# Altium PCB QUDONG.PcbDoc (continued)
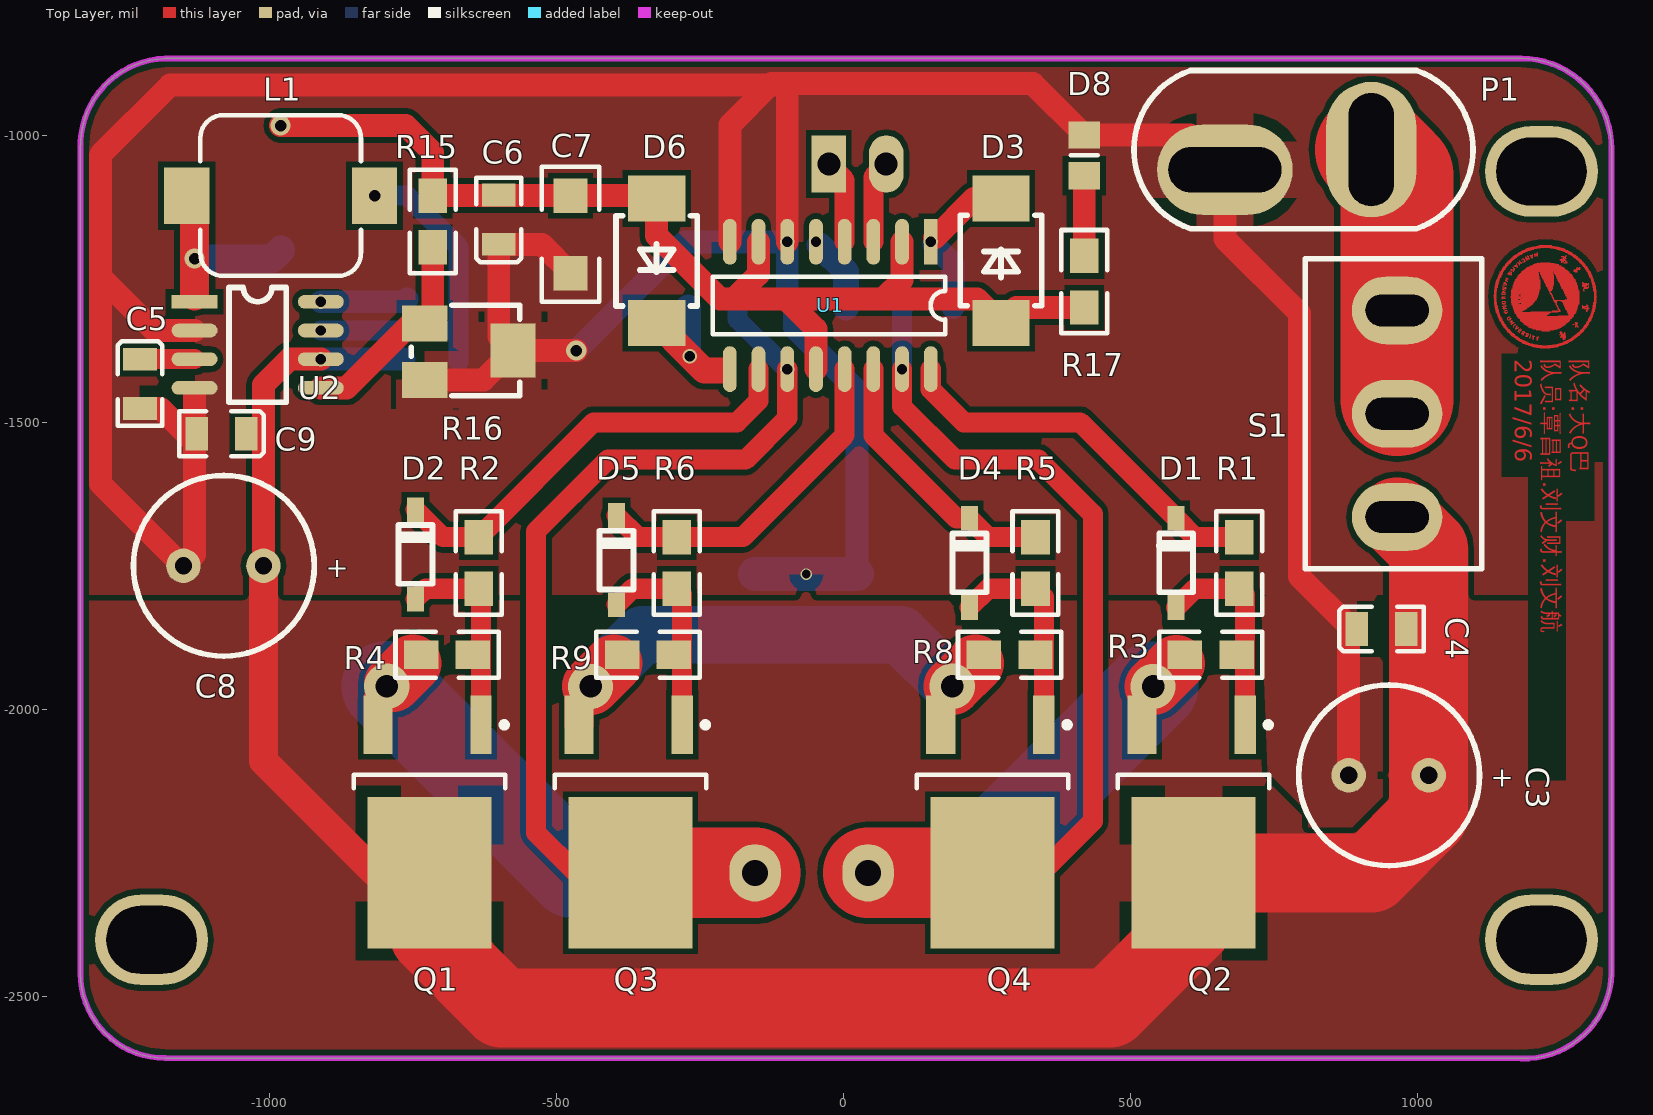
[diagram p0: Top Layer view]
## Nets (pads, with @x,y where several pads share a name; then routed paths per layer and width w, separated by ;. In a path a pad name is that pad's centre, name@x,y a point inside that pad or via, vN(x,y) a via of type N, cw(c..) or ccw(c..) an arc to the next point about the centre after c; other vN are vias at no path point) (continued)
  Top Layer w1: 1134,-1283 1134,-1282 ; 1134,-1280 1134,-1279 ; 1135,-1294 1135,-1269 ; 1136,-1300 1136,-1263 ; 1137,-1304 1137,-1259 ; 1138,-1308 1138,-1255 ; 1139,-1310 1139,-1291 ; 1139,-1272 1139,-1252 ; 1140,-1313 1140,-1297 ; 1140,-1266 1140,-1250 ; 1141,-1316 1141,-1302 ; 1141,-1260 1141,-1247 ; 1142,-1318 1142,-1305 ; 1142,-1258 1142,-1245 ; 1143,-1320 1143,-1309 ; 1143,-1254 1143,-1243 ; 1144,-1322 1144,-1311 ; 1144,-1251 1144,-1241 ; 1145,-1324 1145,-1314 ; 1145,-1248 1145,-1238 ; 1146,-1325 1146,-1316 ; 1146,-1247 1146,-1237 ; 1147,-1328 1147,-1319 ; 1147,-1244 1147,-1235 ; 1148,-1329 1148,-1320 ; 1148,-1292 1148,-1291 ; 1148,-1286 1148,-1284 ; 1148,-1283 1148,-1281 ; 1148,-1278 1148,-1274 ; 1148,-1243 1148,-1234 ; 1149,-1331 1149,-1323 ; 1149,-1299 1149,-1298 ; 1149,-1294 1149,-1293 ; 1149,-1290 1149,-1289 ; 1149,-1285 1149,-1281 ; 1149,-1278 1149,-1276 ; 1149,-1274 1149,-1273 ; 1149,-1269 1149,-1267 ; 1149,-1265 1149,-1264 ; 1149,-1240 1149,-1232 ; 1150,-1332 1150,-1324 ; 1150,-1302 1150,-1301 ; 1150,-1299 1150,-1298 ; 1150,-1294 1150,-1293 ; 1150,-1290 1150,-1289 ; 1150,-1284 1150,-1281 ; 1150,-1278 1150,-1276 ; 1150,-1274 1150,-1272 ; 1150,-1268 1150,-1267 ; 1150,-1265 1150,-1264 ; 1150,-1261 1150,-1260 ; 1150,-1238 1150,-1231 ; 1151,-1333 1151,-1325 ; 1151,-1303 1151,-1300 ; 1151,-1298 1151,-1297 ; 1151,-1294 1151,-1293 ; 1151,-1290 1151,-1289 ; 1151,-1284 1151,-1281 ; 1151,-1274 1151,-1272 ; 1151,-1270 1151,-1269 ; 1151,-1268 1151,-1267 ; 1151,-1265 1151,-1264 ; 1151,-1261 1151,-1260 ; 1151,-1237 1151,-1229 ; 1152,-1335 1152,-1327 ; 1152,-1308 1152,-1307 ; 1152,-1303 1152,-1302 ; 1152,-1301 1152,-1300 ; 1152,-1298 1152,-1297 ; 1152,-1294 1152,-1293 ; 1152,-1290 1152,-1289 ; 1152,-1285 1152,-1281 ; 1152,-1278 1152,-1277 ; 1152,-1274 1152,-1273 ; 1152,-1270 1152,-1269 ; 1152,-1267 1152,-1266 ; 1152,-1265 1152,-1264 ; 1152,-1261 1152,-1258 ; 1152,-1257 1152,-1256 ; 1152,-1235 1152,-1228 ; 1153,-1336 1153,-1329 ; 1153,-1310 1153,-1305 ; 1153,-1303 1153,-1301 ; 1153,-1300 1153,-1299 ; 1153,-1298 1153,-1297 ; 1153,-1294 1153,-1292 ; 1153,-1290 1153,-1289 ; 1153,-1285 1153,-1284 ; 1153,-1282 1153,-1281 ; 1153,-1278 1153,-1273 ; 1153,-1270 1153,-1269 ; 1153,-1267 1153,-1266 ; 1153,-1261 1153,-1260 ; 1153,-1259 1153,-1256 ; 1153,-1234 1153,-1227 ; 1154,-1338 1154,-1330 ; 1154,-1311 1154,-1309 ; 1154,-1306 1154,-1305 ; 1154,-1302 1154,-1301 ; 1154,-1299 1154,-1296 ; 1154,-1292 1154,-1290 ; 1154,-1270 1154,-1269 ; 1154,-1267 1154,-1265 ; 1154,-1261 1154,-1260 ; 1154,-1258 1154,-1257 ; 1154,-1253 1154,-1252 ; 1154,-1232 1154,-1225 ; 1155,-1338 1155,-1332 ; 1155,-1311 1155,-1308 ; 1155,-1306 1155,-1305 ; 1155,-1302 1155,-1301 ; 1155,-1298 1155,-1296 ; 1155,-1267 1155,-1265 ; 1155,-1261 1155,-1260 ; 1155,-1259 1155,-1258 ; 1155,-1254 1155,-1252 ; 1155,-1249 1155,-1248 ; 1155,-1231 1155,-1224 ; 1156,-1340 1156,-1334 ; 1156,-1310 1156,-1309 ; 1156,-1306 1156,-1305 ; 1156,-1302 1156,-1301 ; 1156,-1261 1156,-1259 ; 1156,-1254 1156,-1252 ; 1156,-1250 1156,-1249 ; 1156,-1229 1156,-1223 ; 1157,-1340 1157,-1334 ; 1157,-1306 1157,-1305 ; 1157,-1254 1157,-1253 ; 1157,-1252 1157,-1249 ; 1157,-1228 1157,-1222 ; 1158,-1343 1158,-1336 ; 1158,-1321 1158,-1318 ; 1158,-1309 1158,-1307 ; 1158,-1255 1158,-1254 ; 1158,-1251 1158,-1250 ; 1158,-1227 1158,-1220 ; 1159,-1343 1159,-1337 ; 1159,-1322 1159,-1321 ; 1159,-1318 1159,-1317 ; 1159,-1251 1159,-1250 ; 1159,-1242 1159,-1240 ; 1159,-1226 1159,-1220 ; 1160,-1344 1160,-1338 ; 1160,-1322 1160,-1321 ; 1160,-1318 1160,-1316 ; 1160,-1243 1160,-1241 ; 1160,-1240 1160,-1239 ; 1160,-1225 1160,-1218 ; 1161,-1345 1161,-1339 ; 1161,-1322 1161,-1320 ; 1161,-1317 1161,-1316 ; 1161,-1243 1161,-1241 ; 1161,-1239 1161,-1238 ; 1161,-1224 1161,-1218 ; 1162,-1346 1162,-1340 ; 1162,-1326 1162,-1325 ; 1162,-1322 1162,-1320 ; 1162,-1317 1162,-1316 ; 1162,-1242 1162,-1240 ; 1162,-1239 1162,-1238 ; 1162,-1223 1162,-1217 ; 1163,-1347 1163,-1341 ; 1163,-1326 1163,-1324 ; 1163,-1321 1163,-1319 ; 1163,-1282 1163,-1281 ; 1163,-1244 1163,-1243 ; 1163,-1239 1163,-1238 ; 1163,-1222 1163,-1216 ; 1164,-1348 1164,-1342 ; 1164,-1329 1164,-1328 ; 1164,-1325 1164,-1324 ; 1164,-1320 1164,-1319 ; 1164,-1244 1164,-1243 ; 1164,-1240 1164,-1238 ; 1164,-1235 1164,-1233 ; 1164,-1221 1164,-1215 ; 1165,-1349 1165,-1343 ; 1165,-1330 1165,-1328 ; 1165,-1327 1165,-1325 ; 1165,-1324 1165,-1323 ; 1165,-1292 1165,-1270 ; 1165,-1243 1165,-1239 ; 1165,-1236 1165,-1233 ; 1165,-1220 1165,-1214 ; 1166,-1350 1166,-1344 ; 1166,-1329 1166,-1327 ; 1166,-1326 1166,-1322 ; 1166,-1296 1166,-1267 ; 1166,-1236 1166,-1235 ; 1166,-1234 1166,-1233 ; 1166,-1219 1166,-1213 ; 1167,-1351 1167,-1345 ; 1167,-1328 1167,-1327 ; 1167,-1300 1167,-1262 ; 1167,-1237 1167,-1236 ; 1167,-1231 1167,-1230 ; 1167,-1218 1167,-1212 ; 1168,-1351 1168,-1346 ; 1168,-1334 1168,-1332 ; 1168,-1327 1168,-1326 ; 1168,-1302 1168,-1260 ; 1168,-1238 1168,-1237 ; 1168,-1235 1168,-1234 ; 1168,-1232 1168,-1231 ; 1168,-1217 1168,-1211 ; 1169,-1352 1169,-1347 ; 1169,-1332 1169,-1331 ; 1169,-1327 1169,-1326 ; 1169,-1305 1169,-1257 ; 1169,-1235 1169,-1232 ; 1169,-1228 1169,-1227 ; 1169,-1216 1169,-1210 ; 1170,-1353 1170,-1347 ; 1170,-1331 1170,-1330 ; 1170,-1307 1170,-1255 ; 1170,-1235 1170,-1232 ; 1170,-1228 1170,-1227 ; 1170,-1215 1170,-1210 ; 1171,-1354 1171,-1349 ; 1171,-1331 1171,-1329 ; 1171,-1310 1171,-1253 ; 1171,-1229 1171,-1227 ; 1171,-1214 1171,-1209 ; 1172,-1354 1172,-1349 ; 1172,-1338 1172,-1335 ; 1172,-1330 1172,-1329 ; 1172,-1311 1172,-1251 ; 1172,-1229 1172,-1226 ; 1172,-1214 1172,-1208 ; 1173,-1355 1173,-1350 ; 1173,-1338 1173,-1337 ; 1173,-1336 1173,-1333 ; 1173,-1313 1173,-1250 ; 1173,-1230 1173,-1229 ; 1173,-1227 1173,-1224 ; 1173,-1213 1173,-1208 ; 1174,-1356 1174,-1351 ; 1174,-1337 1174,-1336 ; 1174,-1334 1174,-1332 ; 1174,-1315 1174,-1248 ; 1174,-1230 1174,-1226 ; 1174,-1212 1174,-1207 ; 1175,-1356 1175,-1351 ; 1175,-1337 1175,-1336 ; 1175,-1317 1175,-1247 ; 1175,-1230 1175,-1228 ; 1175,-1211 1175,-1206 ; 1176,-1357 1176,-1352 ; 1176,-1342 1176,-1341 ; 1176,-1336 1176,-1335 ; 1176,-1317 1176,-1294 ; 1176,-1291 1176,-1290 ; 1176,-1289 1176,-1287 ; 1176,-1285 1176,-1279 ; 1176,-1277 1176,-1273 ; 1176,-1270 1176,-1245 ; 1176,-1223 1176,-1221 ; 1176,-1211 1176,-1206 ; 1177,-1358 1177,-1353 ; 1177,-1342 1177,-1340 ; 1177,-1336 1177,-1334 ; 1177,-1318 1177,-1294 ; 1177,-1293 1177,-1291 ; 1177,-1290 1177,-1287 ; 1177,-1285 1177,-1280 ; 1177,-1278 1177,-1272 ; 1177,-1270 1177,-1244 ; 1177,-1223 1177,-1222 ; 1177,-1210 1177,-1205 ; 1178,-1358 1178,-1354 ; 1178,-1343 1178,-1342 ; 1178,-1341 1178,-1339 ; 1178,-1320 1178,-1293 ; 1178,-1291 1178,-1288 ; 1178,-1286 1178,-1280 ; 1178,-1279 1178,-1278 ; 1178,-1276 1178,-1272 ; 1178,-1271 1178,-1243 ; 1178,-1225 1178,-1223 ; 1178,-1209 1178,-1205 ; 1179,-1359 1179,-1354 ; 1179,-1344 1179,-1343 ; 1179,-1340 1179,-1338 ; 1179,-1320 1179,-1294 ; 1179,-1292 1179,-1287 ; 1179,-1285 1179,-1281 ; 1179,-1279 1179,-1278 ; 1179,-1276 1179,-1272 ; 1179,-1271 1179,-1242 ; 1179,-1226 1179,-1224 ; 1179,-1223 1179,-1222 ; 1179,-1220 1179,-1219 ; 1179,-1209 1179,-1204 ; 1180,-1360 1180,-1355 ; 1180,-1341 1180,-1340 ; 1180,-1338 1180,-1337 ; 1180,-1324 1180,-1323 ; 1180,-1322 1180,-1294 ; 1180,-1292 1180,-1284 ; 1180,-1283 1180,-1281 ; 1180,-1279 1180,-1277 ; 1180,-1275 1180,-1272 ; 1180,-1271 1180,-1240 ; 1180,-1223 1180,-1220 ; 1180,-1208 1180,-1203 ; 1181,-1360 1181,-1355 ; 1181,-1339 1181,-1338 ; 1181,-1323 1181,-1294 ; 1181,-1292 1181,-1290 ; 1181,-1289 1181,-1286 ; 1181,-1283 1181,-1280 ; 1181,-1279 1181,-1277 ; 1181,-1276 1181,-1272 ; 1181,-1270 1181,-1240 ; 1181,-1223 1181,-1221 ; 1181,-1208 1181,-1203 ; 1182,-1360 1182,-1356 ; 1182,-1346 1182,-1345 ; 1182,-1340 1182,-1339 ; 1182,-1324 1182,-1308 ; 1182,-1307 1182,-1293 ; 1182,-1290 1182,-1287 ; 1182,-1284 1182,-1279 ; 1182,-1276 1182,-1272 ; 1182,-1271 1182,-1238 ; 1182,-1224 1182,-1223 ; 1182,-1207 1182,-1202 ; 1183,-1361 1183,-1356 ; 1183,-1347 1183,-1344 ; 1183,-1325 1183,-1308 ; 1183,-1307 1183,-1238 ; 1183,-1218 1183,-1216 ; 1183,-1207 1183,-1202 ; 1184,-1362 1184,-1357 ; 1184,-1345 1184,-1342 ; 1184,-1326 1184,-1308 ; 1184,-1306 1184,-1237 ; 1184,-1221 1184,-1220 ; 1184,-1216 1184,-1215 ; 1184,-1206 1184,-1201 ; 1185,-1362 1185,-1357 ; 1185,-1348 1185,-1347 ; 1185,-1345 1185,-1344 ; 1185,-1343 1185,-1341 ; 1185,-1327 1185,-1308 ; 1185,-1305 1185,-1236 ; 1185,-1221 1185,-1220 ; 1185,-1216 1185,-1215 ; 1185,-1205 1185,-1200 ; 1186,-1363 1186,-1358 ; 1186,-1348 1186,-1344 ; 1186,-1342 1186,-1341 ; 1186,-1329 1186,-1328 ; 1186,-1327 1186,-1308 ; 1186,-1305 1186,-1235 ; 1186,-1221 1186,-1220 ; 1186,-1217 1186,-1215 ; 1186,-1205 1186,-1200 ; 1187,-1363 1187,-1358 ; 1187,-1345 1187,-1344 ; 1187,-1343 1187,-1342 ; 1187,-1329 1187,-1308 ; 1187,-1305 1187,-1234 ; 1187,-1221 1187,-1216 ; 1187,-1205 1187,-1200 ; 1188,-1363 1188,-1359 ; 1188,-1345 1188,-1343 ; 1188,-1329 1188,-1308 ; 1188,-1304 1188,-1234 ; 1188,-1220 1188,-1218 ; 1188,-1204 1188,-1199 ; 1189,-1364 1189,-1359 ; 1189,-1350 1189,-1349 ; 1189,-1330 1189,-1308 ; 1189,-1303 1189,-1233 ; 1189,-1214 1189,-1212 ; 1189,-1203 1189,-1199 ; 1190,-1364 1190,-1360 ; 1190,-1351 1190,-1349 ; 1190,-1331 1190,-1308 ; 1190,-1303 1190,-1232 ; 1190,-1215 1190,-1212 ; 1190,-1203 1190,-1198 ; 1191,-1365 1191,-1360 ; 1191,-1351 1191,-1350 ; 1191,-1348 1191,-1345 ; 1191,-1331 1191,-1308 ; 1191,-1302 1191,-1231 ; 1191,-1218 1191,-1215 ; 1191,-1214 1191,-1213 ; 1191,-1203 1191,-1198 ; 1192,-1365 1192,-1360 ; 1192,-1351 1192,-1350 ; 1192,-1349 1192,-1347 ; 1192,-1346 1192,-1345 ; 1192,-1332 1192,-1308 ; 1192,-1301 1192,-1231 ; 1192,-1218 1192,-1217 ; 1192,-1214 1192,-1213 ; 1192,-1202 1192,-1198 ; 1193,-1365 1193,-1361 ; 1193,-1351 1193,-1348 ; 1193,-1346 1193,-1345 ; 1193,-1333 1193,-1308 ; 1193,-1300 1193,-1230 ; 1193,-1216 1193,-1214 ; 1193,-1212 1193,-1210 ; 1193,-1202 1193,-1197 ; 1194,-1366 1194,-1361 ; 1194,-1348 1194,-1346 ; 1194,-1333 1194,-1308 ; 1194,-1300 1194,-1230 ; 1194,-1216 1194,-1215 ; 1194,-1214 1194,-1211 ; 1194,-1201 1194,-1197 ; 1195,-1366 1195,-1362 ; 1195,-1335 1195,-1308 ; 1195,-1299 1195,-1229 ; 1195,-1216 1195,-1214 ; 1195,-1201 1195,-1196 ; 1196,-1367 1196,-1362 ; 1196,-1353 1196,-1352 ; 1196,-1334 1196,-1308 ; 1196,-1298 1196,-1229 ; 1196,-1216 1196,-1215 ; 1196,-1201 1196,-1196 ; 1197,-1367 1197,-1363 ; 1197,-1354 1197,-1350 ; 1197,-1335 1197,-1308 ; 1197,-1298 1197,-1228 ; 1197,-1210 1197,-1209 ; 1197,-1200 1197,-1196 ; 1198,-1367 1198,-1363 ; 1198,-1350 1198,-1347 ; 1198,-1335 1198,-1308 ; 1198,-1297 1198,-1227 ; 1198,-1211 1198,-1209 ; 1198,-1200 1198,-1196 ; 1199,-1367 1199,-1363 ; 1199,-1336 1199,-1307 ; 1199,-1296 1199,-1227 ; 1199,-1213 1199,-1209 ; 1199,-1200 1199,-1195 ; 1200,-1368 1200,-1363 ; 1200,-1336 1200,-1307 ; 1200,-1295 1200,-1227 ; 1200,-1214 1200,-1212 ; 1200,-1210 1200,-1209 ; 1200,-1199 1200,-1195 ; 1201,-1368 1201,-1363 ; 1201,-1350 1201,-1349 ; 1201,-1336 1201,-1307 ; 1201,-1294 1201,-1226 ; 1201,-1214 1201,-1207 ; 1201,-1199 1201,-1195 ; 1202,-1368 1202,-1364 ; 1202,-1356 1202,-1351 ; 1202,-1350 1202,-1349 ; 1202,-1338 1202,-1307 ; 1202,-1293 1202,-1226 ; 1202,-1199 1202,-1194 ; 1203,-1368 1203,-1364 ; 1203,-1354 1203,-1349 ; 1203,-1337 1203,-1307 ; 1203,-1292 1203,-1225 ; 1203,-1199 1203,-1194 ; 1204,-1369 1204,-1364 ; 1204,-1351 1204,-1350 ; 1204,-1338 1204,-1307 ; 1204,-1291 1204,-1225 ; 1204,-1198 1204,-1194 ; 1205,-1369 1205,-1365 ; 1205,-1351 1205,-1350 ; 1205,-1338 1205,-1307 ; 1205,-1290 1205,-1225 ; 1205,-1209 1205,-1206 ; 1205,-1198 1205,-1194 ; 1206,-1369 1206,-1365 ; 1206,-1338 1206,-1307 ; 1206,-1288 1206,-1224 ; 1206,-1212 1206,-1209 ; 1206,-1208 1206,-1206 ; 1206,-1198 1206,-1194 ; 1207,-1369 1207,-1365 ; 1207,-1338 1207,-1307 ; 1207,-1287 1207,-1224 ; 1207,-1209 1207,-1207 ; 1207,-1198 1207,-1194 ; 1208,-1369 1208,-1365 ; 1208,-1340 1208,-1307 ; 1208,-1286 1208,-1224 ; 1208,-1209 1208,-1208 ; 1208,-1198 1208,-1193 ; 1209,-1370 1209,-1365 ; 1209,-1357 1209,-1351 ; 1209,-1339 1209,-1307 ; 1209,-1283 1209,-1223 ; 1209,-1211 1209,-1209 ; 1209,-1207 1209,-1205 ; 1209,-1197 1209,-1193 ; 1210,-1370 1210,-1365 ; 1210,-1357 1210,-1354 ; 1210,-1339 1210,-1307 ; 1210,-1282 1210,-1233 ; 1210,-1231 1210,-1223 ; 1210,-1211 1210,-1205 ; 1210,-1197 1210,-1193 ; 1211,-1370 1211,-1366 ; 1211,-1354 1211,-1352 ; 1211,-1340 1211,-1307 ; 1211,-1279 1211,-1237 ; 1211,-1234 1211,-1222 ; 1211,-1197 1211,-1193 ; 1212,-1370 1212,-1366 ; 1212,-1353 1212,-1351 ; 1212,-1340 1212,-1307 ; 1212,-1277 1212,-1240 ; 1212,-1236 1212,-1223 ; 1212,-1197 1212,-1193 ; 1213,-1370 1213,-1366 ; 1213,-1340 1213,-1307 ; 1213,-1273 1213,-1246 ; 1213,-1238 1213,-1223 ; 1213,-1197 1213,-1192 ; 1214,-1370 1214,-1366 ; 1214,-1340 1214,-1307 ; 1214,-1268 1214,-1252 ; 1214,-1239 1214,-1223 ; 1214,-1197 1214,-1192 ; 1215,-1371 1215,-1366 ; 1215,-1340 1215,-1307 ; 1215,-1242 1215,-1222 ; 1215,-1196 1215,-1192 ; 1216,-1371 1216,-1366 ; 1216,-1340 1216,-1307 ; 1216,-1243 1216,-1222 ; 1216,-1196 1216,-1192 ; 1217,-1371 1217,-1366 ; 1217,-1340 1217,-1307 ; 1217,-1246 1217,-1222 ; 1217,-1196 1217,-1192 ; 1218,-1371 1218,-1366 ; 1218,-1341 1218,-1307 ; 1218,-1247 1218,-1222 ; 1218,-1196 1218,-1192 ; 1219,-1371 1219,-1367 ; 1219,-1341 1219,-1307 ; 1219,-1249 1219,-1222 ; 1219,-1196 1219,-1192 ; 1220,-1371 1220,-1367 ; 1220,-1341 1220,-1307 ; 1220,-1251 1220,-1222 ; 1220,-1196 1220,-1192 ; 1221,-1371 1221,-1367 ; 1221,-1341 1221,-1307 ; 1221,-1253 1221,-1222 ; 1221,-1196 1221,-1192 ; 1222,-1371 1222,-1367 ; 1222,-1341 1222,-1307 ; 1222,-1256 1222,-1222 ; 1222,-1196 1222,-1192 ; 1223,-1371 1223,-1367 ; 1223,-1341 1223,-1307 ; 1223,-1257 1223,-1222 ; 1223,-1196 1223,-1192 ; 1224,-1371 1224,-1367 ; 1224,-1341 1224,-1307 ; 1224,-1259 1224,-1222 ; 1224,-1196 1224,-1192 ; 1225,-1371 1225,-1367 ; 1225,-1341 1225,-1315 ; 1225,-1314 1225,-1307 ; 1225,-1261 1225,-1222 ; 1225,-1196 1225,-1192 ; 1226,-1371 1226,-1367 ; 1226,-1341 1226,-1315 ; 1226,-1314 1226,-1307 ; 1226,-1264 1226,-1222 ; 1226,-1196 1226,-1192 ; 1227,-1371 1227,-1367 ; 1227,-1341 1227,-1315 ; 1227,-1313 1227,-1307 ; 1227,-1265 1227,-1222 ; 1227,-1196 1227,-1192 ; 1228,-1371 1228,-1366 ; 1228,-1341 1228,-1315 ; 1228,-1312 1228,-1307 ; 1228,-1267 1228,-1222 ; 1228,-1196 1228,-1192 ; 1229,-1371 1229,-1367 ; 1229,-1341 1229,-1315 ; 1229,-1312 1229,-1307 ; 1229,-1269 1229,-1222 ; 1229,-1196 1229,-1192 ; 1230,-1371 1230,-1366 ; 1230,-1342 1230,-1315 ; 1230,-1311 1230,-1307 ; 1230,-1271 1230,-1222 ; 1230,-1196 1230,-1192 ; 1231,-1371 1231,-1366 ; 1231,-1340 1231,-1315 ; 1231,-1310 1231,-1307 ; 1231,-1273 1231,-1222 ; 1231,-1196 1231,-1192 ; 1232,-1371 1232,-1366 ; 1232,-1340 1232,-1315 ; 1232,-1309 1232,-1307 ; 1232,-1275 1232,-1222 ; 1232,-1196 1232,-1192 ; 1233,-1370 1233,-1366 ; 1233,-1340 1233,-1315 ; 1233,-1309 1233,-1307 ; 1233,-1277 1233,-1274 ; 1233,-1272 1233,-1223 ; 1233,-1197 1233,-1192 ; 1234,-1370 1234,-1366 ; 1234,-1340 1234,-1315 ; 1234,-1308 1234,-1307 ; 1234,-1279 1234,-1275 ; 1234,-1271 1234,-1223 ; 1234,-1197 1234,-1192 ; 1235,-1370 1235,-1366 ; 1235,-1340 1235,-1315 ; 1235,-1308 1235,-1307 ; 1235,-1281 1235,-1278 ; 1235,-1269 1235,-1223 ; 1235,-1197 1235,-1193 ; 1236,-1370 1236,-1366 ; 1236,-1340 1236,-1315 ; 1236,-1308 1236,-1306 ; 1236,-1283 1236,-1279 ; 1236,-1267 1236,-1223 ; 1236,-1197 1236,-1193 ; 1237,-1370 1237,-1365 ; 1237,-1340 1237,-1315 ; 1237,-1308 1237,-1307 ; 1237,-1285 1237,-1282 ; 1237,-1263 1237,-1240 ; 1237,-1236 1237,-1223 ; 1237,-1197 1237,-1193 ; 1238,-1370 1238,-1365 ; 1238,-1339 1238,-1315 ; 1238,-1308 1238,-1306 ; 1238,-1287 1238,-1283 ; 1238,-1260 1238,-1244 ; 1238,-1237 1238,-1223 ; 1238,-1197 1238,-1193 ; 1239,-1369 1239,-1365 ; 1239,-1339 1239,-1315 ; 1239,-1308 1239,-1306 ; 1239,-1289 1239,-1286 ; 1239,-1240 1239,-1224 ; 1239,-1198 1239,-1193 ; 1240,-1369 1240,-1365 ; 1240,-1338 1240,-1315 ; 1240,-1308 1240,-1306 ; 1240,-1291 1240,-1287 ; 1240,-1241 1240,-1224 ; 1240,-1198 1240,-1194 ; 1241,-1369 1241,-1365 ; 1241,-1339 1241,-1315 ; 1241,-1308 1241,-1306 ; 1241,-1292 1241,-1287 ; 1241,-1243 1241,-1224 ; 1241,-1198 1241,-1194 ; 1242,-1369 1242,-1365 ; 1242,-1338 1242,-1315 ; 1242,-1308 1242,-1306 ; 1242,-1295 1242,-1287 ; 1242,-1245 1242,-1224 ; 1242,-1198 1242,-1194 ; 1243,-1369 1243,-1365 ; 1243,-1338 1243,-1315 ; 1243,-1308 1243,-1306 ; 1243,-1296 1243,-1287 ; 1243,-1247 1243,-1225 ; 1243,-1198 1243,-1194 ; 1244,-1369 1244,-1364 ; 1244,-1338 1244,-1315 ; 1244,-1308 1244,-1306 ; 1244,-1299 1244,-1296 ; 1244,-1289 1244,-1287 ; 1244,-1249 1244,-1225 ; 1244,-1199 1244,-1194 ; 1245,-1368 1245,-1364 ; 1245,-1337 1245,-1315 ; 1245,-1308 1245,-1306 ; 1245,-1300 1245,-1297 ; 1245,-1288 1245,-1287 ; 1245,-1251 1245,-1225 ; 1245,-1199 1245,-1194 ; 1246,-1368 1246,-1364 ; 1246,-1337 1246,-1315 ; 1246,-1307 1246,-1306 ; 1246,-1303 1246,-1299 ; 1246,-1288 1246,-1287 ; 1246,-1253 1246,-1226 ; 1246,-1199 1246,-1195 ; 1247,-1368 1247,-1363 ; 1247,-1336 1247,-1314 ; 1247,-1307 1247,-1306 ; 1247,-1304 1247,-1301 ; 1247,-1288 1247,-1287 ; 1247,-1255 1247,-1227 ; 1247,-1226 1247,-1225 ; 1247,-1199 1247,-1195 ; 1248,-1367 1248,-1363 ; 1248,-1336 1248,-1314 ; 1248,-1307 1248,-1303 ; 1248,-1288 1248,-1287 ; 1248,-1257 1248,-1227 ; 1248,-1200 1248,-1195 ; 1249,-1367 1249,-1363 ; 1249,-1348 1249,-1347 ; 1249,-1344 1249,-1343 ; 1249,-1335 1249,-1314 ; 1249,-1307 1249,-1305 ; 1249,-1288 1249,-1287 ; 1249,-1259 1249,-1227 ; 1249,-1218 1249,-1217 ; 1249,-1200 1249,-1196 ; 1250,-1367 1250,-1362 ; 1250,-1352 1250,-1351 ; 1250,-1347 1250,-1342 ; 1250,-1335 1250,-1314 ; 1250,-1288 1250,-1287 ; 1250,-1261 1250,-1228 ; 1250,-1218 1250,-1216 ; 1250,-1200 1250,-1196 ; 1251,-1367 1251,-1362 ; 1251,-1353 1251,-1350 ; 1251,-1347 1251,-1344 ; 1251,-1342 1251,-1341 ; 1251,-1334 1251,-1314 ; 1251,-1289 1251,-1287 ; 1251,-1263 1251,-1229 ; 1251,-1228 1251,-1227 ; 1251,-1219 1251,-1216 ; 1251,-1200 1251,-1196 ; 1252,-1366 1252,-1362 ; 1252,-1352 1252,-1347 ; 1252,-1346 1252,-1343 ; 1252,-1334 1252,-1314 ; 1252,-1289 1252,-1287 ; 1252,-1265 1252,-1229 ; 1252,-1222 1252,-1218 ; 1252,-1216 1252,-1215 ; 1252,-1212 1252,-1211 ; 1252,-1201 1252,-1197 ; 1253,-1366 1253,-1361 ; 1253,-1352 1253,-1347 ; 1253,-1344 1253,-1343 ; 1253,-1333 1253,-1314 ; 1253,-1290 1253,-1287 ; 1253,-1267 1253,-1229 ; 1253,-1222 1253,-1215 ; 1253,-1212 1253,-1211 ; 1253,-1201 1253,-1197 ; 1254,-1365 1254,-1361 ; 1254,-1355 1254,-1349 ; 1254,-1348 1254,-1345 ; 1254,-1333 1254,-1314 ; 1254,-1292 1254,-1287 ; 1254,-1268 1254,-1230 ; 1254,-1220 1254,-1218 ; 1254,-1217 1254,-1215 ; 1254,-1213 1254,-1211 ; 1254,-1202 1254,-1197 ; 1255,-1365 1255,-1360 ; 1255,-1356 1255,-1355 ; 1255,-1354 1255,-1348 ; 1255,-1332 1255,-1314 ; 1255,-1294 1255,-1287 ; 1255,-1271 1255,-1231 ; 1255,-1220 1255,-1218 ; 1255,-1217 1255,-1214 ; 1255,-1213 1255,-1211 ; 1255,-1202 1255,-1198 ; 1256,-1365 1256,-1360 ; 1256,-1356 1256,-1347 ; 1256,-1331 1256,-1314 ; 1256,-1296 1256,-1287 ; 1256,-1272 1256,-1231 ; 1256,-1223 1256,-1221 ; 1256,-1219 1256,-1214 ; 1256,-1213 1256,-1212 ; 1256,-1203 1256,-1198 ; 1257,-1364 1257,-1360 ; 1257,-1355 1257,-1349 ; 1257,-1348 1257,-1347 ; 1257,-1346 1257,-1343 ; 1257,-1331 1257,-1314 ; 1257,-1298 1257,-1287 ; 1257,-1275 1257,-1232 ; 1257,-1223 1257,-1221 ; 1257,-1219 1257,-1216 ; 1257,-1214 1257,-1212 ; 1257,-1203 1257,-1198 ; 1258,-1364 1258,-1359 ; 1258,-1355 1258,-1354 ; 1258,-1352 1258,-1350 ; 1258,-1349 1258,-1347 ; 1258,-1346 1258,-1344 ; 1258,-1330 1258,-1314 ; 1258,-1300 1258,-1287 ; 1258,-1276 1258,-1233 ; 1258,-1223 1258,-1222 ; 1258,-1219 1258,-1216 ; 1258,-1214 1258,-1212 ; 1258,-1203 1258,-1199 ; 1259,-1363 1259,-1359 ; 1259,-1353 1259,-1349 ; 1259,-1329 1259,-1314 ; 1259,-1302 1259,-1286 ; 1259,-1279 1259,-1234 ; 1259,-1223 1259,-1222 ; 1259,-1220 1259,-1218 ; 1259,-1215 1259,-1211 ; 1259,-1204 1259,-1199 ; 1260,-1363 1260,-1358 ; 1260,-1328 1260,-1314 ; 1260,-1304 1260,-1286 ; 1260,-1280 1260,-1234 ; 1260,-1223 1260,-1221 ; 1260,-1220 1260,-1219 ; 1260,-1215 1260,-1214 ; 1260,-1212 1260,-1209 ; 1260,-1205 1260,-1200 ; 1261,-1363 1261,-1358 ; 1261,-1327 1261,-1314 ; 1261,-1306 1261,-1287 ; 1261,-1283 1261,-1235 ; 1261,-1223 1261,-1220 ; 1261,-1205 1261,-1200 ; 1262,-1362 1262,-1357 ; 1262,-1327 1262,-1314 ; 1262,-1308 1262,-1286 ; 1262,-1285 1262,-1236 ; 1262,-1205 1262,-1200 ; 1263,-1361 1263,-1357 ; 1263,-1326 1263,-1314 ; 1263,-1310 1263,-1237 ; 1263,-1206 1263,-1201 ; 1264,-1361 1264,-1356 ; 1264,-1325 1264,-1314 ; 1264,-1312 1264,-1238 ; 1264,-1207 1264,-1202 ; 1265,-1360 1265,-1356 ; 1265,-1324 1265,-1238 ; 1265,-1207 1265,-1202 ; 1266,-1360 1266,-1355 ; 1266,-1323 1266,-1240 ; 1266,-1207 1266,-1203 ; 1267,-1360 1267,-1355 ; 1267,-1322 1267,-1240 ; 1267,-1208 1267,-1203 ; 1268,-1359 1268,-1354 ; 1268,-1320 1268,-1242 ; 1268,-1209 1268,-1204 ; 1269,-1358 1269,-1354 ; 1269,-1320 1269,-1242 ; 1269,-1209 1269,-1204 ; 1270,-1358 1270,-1353 ; 1270,-1318 1270,-1244 ; 1270,-1210 1270,-1205 ; 1271,-1357 1271,-1352 ; 1271,-1317 1271,-1245 ; 1271,-1211 1271,-1206 ; 1272,-1356 1272,-1351 ; 1272,-1330 1272,-1329 ; 1272,-1316 1272,-1247 ; 1272,-1211 1272,-1207 ; 1273,-1356 1273,-1351 ; 1273,-1330 1273,-1329 ; 1273,-1315 1273,-1248 ; 1273,-1212 1273,-1207 ; 1274,-1355 1274,-1349 ; 1274,-1330 1274,-1329 ; 1274,-1312 1274,-1250 ; 1274,-1238 1274,-1234 ; 1274,-1213 1274,-1208 ; 1275,-1354 1275,-1349 ; 1275,-1311 1275,-1251 ; 1275,-1238 1275,-1237 ; 1275,-1236 1275,-1234 ; 1275,-1214 1275,-1208 ; 1276,-1354 1276,-1348 ; 1276,-1334 1276,-1332 ; 1276,-1329 1276,-1326 ; 1276,-1310 1276,-1253 ; 1276,-1239 1276,-1236 ; 1276,-1235 1276,-1234 ; 1276,-1214 1276,-1209 ; 1277,-1353 1277,-1347 ; 1277,-1334 1277,-1326 ; 1277,-1308 1277,-1256 ; 1277,-1239 1277,-1237 ; 1277,-1236 1277,-1233 ; 1277,-1215 1277,-1210 ; 1278,-1352 1278,-1347 ; 1278,-1332 1278,-1329 ; 1278,-1305 1278,-1257 ; 1278,-1239 1278,-1237 ; 1278,-1236 1278,-1232 ; 1278,-1216 1278,-1211 ; 1279,-1351 1279,-1346 ; 1279,-1332 1279,-1331 ; 1279,-1329 1279,-1327 ; 1279,-1303 1279,-1260 ; 1279,-1239 1279,-1236 ; 1279,-1235 1279,-1233 ; 1279,-1232 1279,-1231 ; 1279,-1217 1279,-1211 ; 1280,-1351 1280,-1345 ; 1280,-1334 1280,-1332 ; 1280,-1328 1280,-1327 ; 1280,-1300 1280,-1262 ; 1280,-1234 1280,-1233 ; 1280,-1232 1280,-1230 ; 1280,-1218 1280,-1212 ; 1281,-1349 1281,-1344 ; 1281,-1334 1281,-1333 ; 1281,-1296 1281,-1267 ; 1281,-1234 1281,-1231 ; 1281,-1218 1281,-1213 ; 1282,-1349 1282,-1343 ; 1282,-1294 1282,-1271 ; 1282,-1234 1282,-1232 ; 1282,-1220 1282,-1214 ; 1283,-1348 1283,-1342 ; 1283,-1234 1283,-1230 ; 1283,-1221 1283,-1215 ; 1284,-1347 1284,-1341 ; 1284,-1233 1284,-1231 ; 1284,-1222 1284,-1216 ; 1285,-1346 1285,-1340 ; 1285,-1223 1285,-1217 ; 1286,-1345 1286,-1339 ; 1286,-1224 1286,-1217 ; 1287,-1345 1287,-1338 ; 1287,-1225 1287,-1218 ; 1288,-1343 1288,-1337 ; 1288,-1302 1288,-1296 ; 1288,-1264 1288,-1262 ; 1288,-1261 1288,-1260 ; 1288,-1258 1288,-1256 ; 1288,-1226 1288,-1220 ; 1289,-1342 1289,-1336 ; 1289,-1300 1289,-1298 ; 1289,-1263 1289,-1262 ; 1289,-1261 1289,-1259 ; 1289,-1258 1289,-1256 ; 1289,-1227 1289,-1220 ; 1290,-1341 1290,-1334 ; 1290,-1301 1290,-1298 ; 1290,-1271 1290,-1267 ; 1290,-1263 1290,-1258 ; 1290,-1229 1290,-1222 ; 1291,-1340 1291,-1333 ; 1291,-1301 1291,-1298 ; 1291,-1272 1291,-1269 ; 1291,-1265 1291,-1264 ; 1291,-1263 1291,-1258 ; 1291,-1229 1291,-1223 ; 1292,-1338 1292,-1331 ; 1292,-1301 1292,-1300 ; 1292,-1267 1292,-1264 ; 1292,-1263 1292,-1259 ; 1292,-1231 1292,-1224 ; 1293,-1337 1293,-1331 ; 1293,-1303 1293,-1301 ; 1293,-1299 1293,-1298 ; 1293,-1267 1293,-1265 ; 1293,-1263 1293,-1259 ; 1293,-1232 1293,-1225 ; 1294,-1336 1294,-1329 ; 1294,-1303 1294,-1301 ; 1294,-1300 1294,-1298 ; 1294,-1267 1294,-1263 ; 1294,-1262 1294,-1258 ; 1294,-1234 1294,-1227 ; 1295,-1335 1295,-1327 ; 1295,-1307 1295,-1305 ; 1295,-1303 1295,-1301 ; 1295,-1300 1295,-1298 ; 1295,-1296 1295,-1295 ; 1295,-1267 1295,-1264 ; 1295,-1262 1295,-1258 ; 1295,-1235 1295,-1228 ; 1296,-1333 1296,-1325 ; 1296,-1307 1296,-1305 ; 1296,-1303 1296,-1302 ; 1296,-1297 1296,-1295 ; 1296,-1267 1296,-1265 ; 1296,-1261 1296,-1259 ; 1296,-1238 1296,-1229 ; 1297,-1332 1297,-1324 ; 1297,-1305 1297,-1296 ; 1297,-1267 1297,-1266 ; 1297,-1260 1297,-1259 ; 1297,-1238 1297,-1231 ; 1298,-1331 1298,-1323 ; 1298,-1303 1298,-1300 ; 1298,-1298 1298,-1297 ; 1298,-1266 1298,-1265 ; 1298,-1261 1298,-1259 ; 1298,-1240 1298,-1232 ; 1299,-1329 1299,-1320 ; 1299,-1303 1299,-1301 ; 1299,-1266 1299,-1263 ; 1299,-1261 1299,-1258 ; 1299,-1242 1299,-1234 ; 1300,-1327 1300,-1319 ; 1300,-1302 1300,-1301 ; 1300,-1244 1300,-1235 ; 1301,-1325 1301,-1316 ; 1301,-1247 1301,-1237 ; 1302,-1324 1302,-1314 ; 1302,-1248 1302,-1238 ; 1303,-1322 1303,-1311 ; 1303,-1251 1303,-1241 ; 1304,-1320 1304,-1309 ; 1304,-1254 1304,-1243 ; 1305,-1318 1305,-1305 ; 1305,-1258 1305,-1245 ; 1306,-1316 1306,-1302 ; 1306,-1260 1306,-1247 ; 1307,-1313 1307,-1296 ; 1307,-1266 1307,-1250 ; 1308,-1310 1308,-1291 ; 1308,-1272 1308,-1252 ; 1309,-1307 1309,-1256 ; 1310,-1303 1310,-1260 ; 1311,-1300 1311,-1262 ; 1312,-1293 1312,-1269 ; 1313,-1282 1313,-1281

## Polygon pours and split planes (outlines as drawn)
GND on Top Layer "Bottom Layer-No Net" (solid, remove dead copper, pour order 22): -1350,-850 -1350,-1800 1350,-1800 1350,-850
GND on Top Layer "Bottom Layer-No Net" (solid, remove dead copper, pour order 28): 728.1,-1800 940.42,-1800 940.42,-2239.58 940,-2240 810,-2240 810,-2180 740,-2110
NetC3_1 on Top Layer "Bottom Layer-No Net" (solid, remove dead copper, pour order 30): 1350,-1570 1350,-2650 -1350,-2650 -1350,-1570
D_GND on Bottom Layer "Bottom Layer-No Net" (solid, remove dead copper, pour order 32): -1360,-1800 1350,-1800 1350,-2660 -1350,-2660
GND on Bottom Layer "Bottom Layer-No Net" (solid, remove dead copper, pour order 34): -1350,-850 -1350,-1800 1350,-1800 1350,-850

## Keep-outs
Keep-Out Layer:
  the board outline again, w10

## Other copper
Top Layer:
  text "2017/6/6" at 1160,-1390 h50 r270
  text "队员:覃昌祖.刘文财.刘文航" at 1210,-1390 h50 r270
  text "队名:大Q巴" at 1260,-1390 h50 r270

## Text inside footprints (layer, text, board x,y; h text height)
C3: Top Overlay "+" at 1128.27,-2134.68 h35
C8: Top Overlay "+" at -901.73,-1769.68 h35